# KiCad board AGB-E02-20.kicad_pcb (continued)
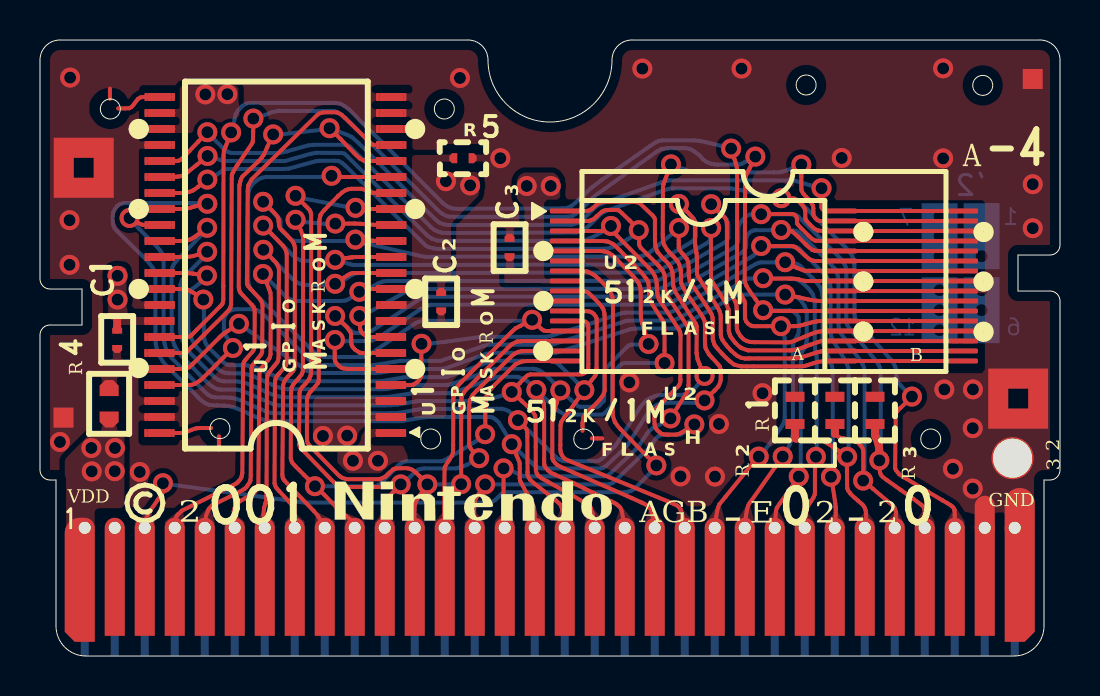
[diagram p0: board, top side]
## Routing (per net, layer and track width the routed paths; a pad name or vN(x,y) marks a point on that pad's centre or on a via; arc(x,y) is an arc through that point) (continued)
A8: length 56.6
  Top w0.1: U1.28 U1.28
  Top w0.2: 28.55,21.48 28.16,21.25 U2.3 U2.3 ; U0.14 21.71,6.91 arc(21.71,6.96) 21.71,7.01 21.71,7.36 arc(21.71,7.41) 21.71,7.46 21.71,7.51 arc(21.72,7.6) 21.73,7.69 21.74,7.74 21.79,7.87 21.84,7.96 arc(21.89,8.04) 21.94,8.12 22.29,8.59 ; v1(28.55,21.5) 28.71,21.23 arc(28.76,21.14) 28.82,21.06 28.84,21.03 30.44,19.4 arc(30.45,19.4) 30.45,19.4 30.57,19.28 30.6,19.23 arc(30.67,19.12) 30.74,19 30.76,18.96 30.82,18.8 30.83,18.64 arc(30.84,18.58) 30.84,18.53 30.84,18.38 arc(30.85,18.3) 30.86,18.22 30.87,18.13 30.87,18.12 arc(30.9,17.99) 30.94,17.87 30.96,17.82 31.03,17.71 arc(31.05,17.69) 31.06,17.67 31.96,16.31 32.01,16.19 32.03,16.05 32.02,13.83 arc(32.02,13.83) 32.02,13.83 32.02,13.7 31.99,13.6 31.92,13.49 30.95,12.51 arc(30.92,12.48) 30.89,12.44 30.83,12.38 30.82,12.37 arc(30.78,12.27) 30.74,12.17 30.74,12.15 30.72,11.91 30.72,11.84 arc(30.72,11.72) 30.73,11.6 30.74,11.55 30.78,11.41 30.87,11.28 30.96,11.2 arc(30.99,11.18) 31.01,11.16 31.08,11.11 31.21,11.08 31.33,11.07 arc(31.39,11.07) 31.44,11.07 31.81,11.07 31.94,11.1 32.05,11.15 32.11,11.19 arc(32.17,11.22) 32.22,11.26 32.59,11.51 arc(32.6,11.51) 32.6,11.51 32.69,11.57 ; 8.4,25 7.84,24.56 arc(7.83,24.55) 7.82,24.54 7.4,24.2 arc(7.35,24.16) 7.29,24.12 7.18,24.04 7.04,23.99 6.93,23.98 arc(6.89,23.97) 6.84,23.97 U1.28 U1.28
  Bottom w0.2: v1(8.38,25) 9.04,24.79 9.22,24.75 12.25,24.75 13.53,25.11 13.82,25.16 15.07,25.15 15.23,25.12 19.36,21.03 19.59,20.87 19.86,20.77 20.15,20.76 27.01,20.76 27.26,20.79 27.69,20.97 28.08,21.18 v1(28.55,21.5) ; v1(22.26,8.58) 28.45,8.58 28.63,8.65 28.79,8.78 30.31,10.26 30.49,10.44 30.64,10.64 30.73,10.78 30.83,10.91 30.96,11.01 31.1,11.05 31.83,11.05 32.02,11.07 32.18,11.16 32.32,11.26 v1(32.72,11.58)
A9: length 55.2
  Top w0.1: U1.29 U1.29
  Top w0.2: U1.29 U1.29 7.15,23.15 7.19,23.16 arc(7.32,23.17) 7.44,23.2 7.48,23.21 7.64,23.27 7.69,23.3 arc(7.79,23.37) 7.9,23.45 7.91,23.46 8.37,23.85 ; 23.2,9.44 23.18,9.18 arc(23.18,9.12) 23.18,9.06 23.18,7.34 arc(23.18,7.28) 23.18,7.22 23.19,7.13 arc(23.19,7.12) 23.19,7.11 23.2,6.98 arc(23.2,6.98) 23.2,6.98 U0.15 ; 31.51,11.87 31.67,12.13 arc(31.7,12.18) 31.73,12.23 31.86,12.41 arc(31.88,12.44) 31.9,12.47 32.25,13.02 arc(32.27,13.05) 32.29,13.08 32.37,13.22 32.42,13.35 32.42,13.37 arc(32.42,13.46) 32.43,13.55 32.43,16.29 32.4,16.42 32.35,16.53 31.34,18.06 31.33,18.09 arc(31.29,18.2) 31.26,18.31 31.26,18.33 31.25,18.49 arc(31.25,18.54) 31.25,18.59 31.25,18.79 arc(31.25,18.86) 31.24,18.93 31.24,19 31.21,19.12 31.11,19.3 31.05,19.37 arc(31.01,19.43) 30.96,19.49 30.95,19.49 arc(30.92,19.53) 30.88,19.57 30.04,20.41 29.98,20.51 29.96,20.63 29.96,20.74 arc(29.96,20.78) 29.96,20.82 v1(29.94,21.29) ; U2.2 U2.2 27.4,21.75 27.51,21.77 27.69,21.85 27.81,21.96 arc(27.83,21.98) 27.84,22 28.09,22.21 28.21,22.27 28.34,22.3 28.82,22.3 28.94,22.28 28.95,22.27 arc(29.03,22.21) 29.1,22.14 29.46,21.8 arc(29.49,21.77) 29.52,21.74 29.7,21.55 arc(29.73,21.52) 29.75,21.49 30.01,21.25
  Bottom w0.2: v1(31.53,11.88) 31.01,11.58 30.81,11.49 30.64,11.39 30.46,11.25 30.34,11.1 29.99,10.57 29.88,10.42 29.78,10.32 28.48,9.09 28.36,9.01 28.22,8.99 24.53,8.98 24.33,8.98 24.19,8.99 24.08,9.03 23.93,9.09 23.64,9.23 v1(23.18,9.38) ; v1(8.37,23.82) 8.74,23.99 9.14,24.28 9.3,24.35 12.21,24.35 12.44,24.37 13.8,24.74 13.98,24.76 14.75,24.76 14.94,24.75 15.11,24.65 15.23,24.55 15.34,24.45 19.29,20.52 19.42,20.45 19.66,20.38 19.88,20.35 28.23,20.36 28.46,20.39 28.79,20.5 29.02,20.61 29.36,20.82 29.54,20.93 v1(29.94,21.29)
A10: length 82.3
  Top w0.1: U1.30 U1.30
  Top w0.2: 33.22,12.77 33.52,13.07 arc(33.54,13.09) 33.56,13.11 33.7,13.24 arc(33.72,13.26) 33.74,13.28 33.76,13.31 arc(33.83,13.37) 33.88,13.44 33.93,13.49 34.01,13.67 34.04,13.8 34.04,14.13 arc(34.04,14.19) 34.03,14.25 34.03,14.35 34,14.46 33.93,14.56 33.6,14.92 arc(33.6,14.92) 33.59,14.92 33.47,15.06 33.45,15.09 arc(33.37,15.21) 33.3,15.34 33.28,15.4 33.26,15.54 33.25,15.61 arc(33.25,15.68) 33.25,15.75 33.25,16.52 arc(33.25,16.6) 33.24,16.68 33.24,16.73 33.19,16.85 33.15,16.92 arc(33.09,17.02) 33.03,17.11 32.3,18.18 arc(32.24,18.28) 32.18,18.38 32.16,18.42 arc(32.13,18.49) 32.1,18.56 32.07,18.63 32.06,18.65 arc(32.05,18.78) 32.05,18.91 32.05,19.07 arc(32.05,19.15) 32.04,19.23 32.04,19.28 32.03,19.31 arc(32,19.44) 31.96,19.57 31.96,19.59 31.87,19.75 31.83,19.8 arc(31.75,19.89) 31.67,19.97 31.62,20.03 arc(31.6,20.05) 31.57,20.08 31.47,20.19 arc(31.46,20.2) 31.45,20.21 31.36,20.31 31.22,20.54 31.16,20.72 31.14,20.9 arc(31.14,20.98) 31.14,21.06 31.15,22.97 arc(31.15,22.97) 31.15,22.98 31.15,23.29 arc(31.15,23.42) 31.16,23.55 31.17,23.57 31.19,23.62 arc(31.21,23.67) 31.23,23.73 31.25,23.81 arc(31.28,23.88) 31.31,23.95 31.36,24.08 arc(31.38,24.12) 31.39,24.16 v1(31.55,24.58) ; 38.07,24.62 38.07,23.35 38.09,23.24 38.16,23.13 38.2,23.08 arc(38.25,23.02) 38.3,22.96 38.41,22.85 arc(38.48,22.78) 38.54,22.7 38.59,22.64 38.65,22.51 38.67,22.39 38.67,22.11 38.69,22.01 38.77,21.89 38.86,21.8 38.97,21.75 U2.31 U2.31 U2.31 ; U1.30 U1.30 7.08,22.35 arc(7.15,22.35) 7.21,22.35 7.3,22.36 7.44,22.39 arc(7.47,22.4) 7.5,22.41 7.56,22.42 arc(7.62,22.44) 7.67,22.46 7.74,22.48 v1(8.37,22.61) ; 23.61,10.55 23.84,10.01 arc(23.84,10.01) 23.84,10.01 23.89,9.88 arc(23.9,9.87) 23.9,9.86 23.97,9.71 23.99,9.6 23.99,8.88 24.01,8.76 24.04,8.69 arc(24.06,8.66) 24.07,8.63 24.5,7.84 arc(24.52,7.81) 24.53,7.78 24.6,7.64 arc(24.63,7.59) 24.65,7.54 24.7,7.43 24.7,7.41 arc(24.71,7.3) 24.72,7.19 24.73,7.11 arc(24.73,7.08) 24.73,7.05 U0.16
  Bottom w0.2: 31.6,24.58 31.87,24.46 32.24,24.33 32.51,24.24 32.74,24.19 32.97,24.18 36.7,24.18 37,24.19 37.14,24.22 37.33,24.28 37.58,24.37 v1(38.07,24.57) ; v1(33.23,12.78) 32.91,12.67 32.7,12.66 31.27,12.66 31.12,12.63 30.92,12.58 30.8,12.52 30.65,12.42 30.52,12.31 30.41,12.18 29.56,10.84 29.38,10.56 29.23,10.37 29,10.16 28.3,9.5 28.18,9.42 28.04,9.38 25.17,9.38 24.98,9.39 24.87,9.44 24.69,9.56 24.55,9.69 23.98,10.2 v1(23.59,10.59) 23.37,10.98 23.17,11.31 22.93,11.69 22.79,11.82 22.65,11.92 22.54,11.95 19.44,11.95 19.17,11.93 18.09,11.75 17.93,11.74 11.76,11.74 11.34,11.77 11.11,11.83 10.81,11.95 10.49,12.09 10.13,12.26 9.84,12.38 9.63,12.45 9.42,12.5 9.21,12.52 8.86,12.53 8.49,12.55 8.27,12.64 8.08,12.77 7.89,12.95 7.58,13.28 6.34,14.49 6.14,14.73 5.96,15.02 5.85,15.33 5.79,15.61 5.78,15.89 5.77,19.11 5.73,19.24 5.65,19.4 5.49,19.61 5.32,19.81 5.1,20.03 3.84,21.26 3.73,21.39 3.67,21.55 3.64,21.72 3.64,22 3.66,22.17 3.75,22.35 3.86,22.5 3.98,22.58 4.17,22.64 4.37,22.65 7.61,22.65 v1(8.37,22.61)
A11: length 61.1
  Top w0.1: U1.31 U1.31
  Top w0.2: 4.49,21.94 4.83,21.71 arc(4.89,21.67) 4.94,21.64 5.01,21.6 5.14,21.56 U1.31 U1.31 ; 33.22,14.01 33.16,14.15 arc(33.16,14.15) 33.16,14.15 33.05,14.39 arc(33.05,14.41) 33.04,14.43 32.97,14.59 arc(32.97,14.61) 32.96,14.63 32.89,14.82 32.88,14.84 arc(32.85,14.98) 32.83,15.12 32.83,15.17 32.84,16.29 arc(32.84,16.37) 32.83,16.45 32.83,16.51 32.79,16.62 31.76,18.21 31.72,18.32 arc(31.7,18.39) 31.68,18.46 31.66,18.55 31.64,18.98 arc(31.64,18.99) 31.64,19 31.63,19.17 31.62,19.19 arc(31.58,19.31) 31.54,19.43 31.53,19.45 31.42,19.61 31.41,19.62 arc(31.32,19.72) 31.23,19.81 31.22,19.82 arc(31.18,19.86) 31.14,19.9 31.05,19.99 arc(30.98,20.07) 30.91,20.15 30.88,20.2 30.87,20.22 arc(30.82,20.34) 30.78,20.46 30.78,20.48 30.77,20.54 arc(30.76,20.62) 30.75,20.7 30.75,20.73 arc(30.75,20.79) 30.75,20.85 30.75,21.81 30.72,21.92 30.64,22.02 29.98,22.65 29.85,22.69 29.79,22.69 arc(29.72,22.7) 29.65,22.7 28.45,22.71 arc(28.45,22.71) 28.44,22.71 28.19,22.71 28.17,22.71 arc(28.07,22.69) 27.97,22.66 27.96,22.66 27.86,22.6 27.79,22.53 arc(27.72,22.46) 27.64,22.4 27.56,22.33 27.43,22.27 27.29,22.25 U2.1 U2.1 ; U0.17 26.16,7.06 arc(26.15,7.14) 26.13,7.22 26.11,7.32 arc(26.1,7.38) 26.08,7.44 26.07,7.49 26.01,7.58 25.96,7.63 arc(25.87,7.71) 25.78,7.78 24.7,8.64 arc(24.61,8.71) 24.52,8.79 24.51,8.81 24.44,8.92 24.38,9.07 24.38,9.19 arc(24.38,9.19) 24.38,9.2 24.37,10.99 arc(24.36,11.13) 24.35,11.27 24.35,11.27 24.3,11.37 23.93,11.82
  Bottom w0.2: v1(4.48,21.9) 4.95,21.36 5.7,20.62 5.88,20.43 5.99,20.3 6.09,20.15 6.15,19.97 6.18,19.79 6.18,15.88 6.23,15.62 6.3,15.37 6.42,15.11 6.59,14.89 8.23,13.22 8.39,13.07 8.58,12.97 8.77,12.93 9.17,12.93 9.51,12.92 9.78,12.87 10.07,12.77 11.03,12.34 11.28,12.23 11.54,12.16 11.75,12.14 17.48,12.14 17.9,12.15 18.72,12.29 18.98,12.33 19.28,12.35 22.86,12.36 23.1,12.36 23.3,12.31 23.44,12.24 23.57,12.14 v1(23.9,11.79) 25.54,10.21 25.8,9.94 25.97,9.82 26.15,9.75 26.3,9.74 27.78,9.74 27.96,9.77 28.1,9.86 28.74,10.48 28.86,10.63 28.93,10.75 30.01,12.43 30.17,12.63 30.33,12.79 30.52,12.9 30.69,12.97 30.85,13.02 31.04,13.05 31.86,13.05 32.13,13.06 32.34,13.12 32.54,13.22 32.7,13.34 32.86,13.52 v1(33.23,14)
A12: length 45.1
  Top w0.1: U1.32 U1.32
  Top w0.2: U1.32 U1.32 7,20.75 arc(7.09,20.75) 7.17,20.76 7.21,20.76 7.36,20.78 7.52,20.83 7.54,20.84 arc(7.62,20.88) 7.69,20.93 7.75,20.96 7.8,21.01 arc(7.84,21.03) 7.87,21.05 7.94,21.1 arc(7.98,21.13) 8.01,21.16 8.36,21.43 ; U2.12 U2.12 27.15,16.75 27.27,16.72 27.35,16.66 27.4,16.56 27.42,16.44 27.42,14.57 arc(27.42,14.49) 27.41,14.41 27.41,14.37 27.35,14.25 27.25,14.15 27.12,14.09 27.02,14.08 arc(26.96,14.08) 26.89,14.08 24.52,14.08 24.42,14.05 24.33,13.99 24.26,13.93 arc(24.2,13.87) 24.14,13.81 23.98,13.63 arc(23.98,13.63) 23.97,13.63 v1(23.59,13.2) ; U0.18 27.67,6.88 arc(27.65,6.98) 27.63,7.08 27.62,7.13 arc(27.58,7.27) 27.53,7.4 27.53,7.42 27.46,7.51 27.39,7.56 arc(27.3,7.63) 27.2,7.69 26.55,8.07 arc(26.53,8.08) 26.51,8.09 25.38,8.72 arc(25.38,8.72) 25.37,8.72 25.22,8.81 arc(25.16,8.84) 25.1,8.88 25.02,8.93 24.92,9.02 24.84,9.13 24.8,9.26 24.8,9.28 arc(24.79,9.37) 24.79,9.46 24.79,10.44 arc(24.79,10.45) 24.79,10.46 24.78,11.74 arc(24.77,11.87) 24.76,12 24.76,12.01 24.75,12.02 arc(24.69,12.13) 24.63,12.23 24.62,12.25 24.54,12.32 arc(24.52,12.35) 24.49,12.38 24.12,12.72 arc(24.11,12.73) 24.09,12.74 23.58,13.24
  Bottom w0.2: v1(8.36,21.41) 8.15,21.13 6.88,19.82 6.7,19.6 6.61,19.4 6.58,19.13 6.59,16.09 6.64,15.79 6.73,15.52 6.87,15.27 7.08,15 8.36,13.68 8.54,13.53 8.71,13.42 8.87,13.34 9.04,13.32 9.84,13.32 10.05,13.28 10.34,13.16 11.52,12.65 11.72,12.57 11.93,12.53 17.19,12.53 17.53,12.54 17.88,12.57 18.8,12.73 19,12.75 21.92,12.74 22.21,12.78 22.54,12.86 22.97,12.98 v1(23.59,13.2)
A13: length 55.2
  Top w0.1: U1.33 U1.33
  Top w0.2: 24.86,13.31 25.11,12.81 arc(25.14,12.75) 25.16,12.69 25.19,12.63 25.19,12.59 arc(25.2,12.47) 25.21,12.35 25.21,9.75 arc(25.21,9.67) 25.21,9.59 25.22,9.55 25.29,9.41 25.4,9.28 25.52,9.18 25.73,9.08 arc(25.75,9.07) 25.76,9.06 26.68,8.64 arc(26.71,8.63) 26.74,8.62 27.21,8.38 arc(27.23,8.37) 27.24,8.36 27.91,8.04 arc(27.92,8.04) 27.92,8.04 28.3,7.85 arc(28.33,7.84) 28.35,7.83 28.56,7.74 arc(28.64,7.7) 28.71,7.66 28.8,7.61 28.87,7.55 arc(28.91,7.52) 28.94,7.49 29.01,7.43 29.06,7.33 29.1,7.21 U0.19 ; U2.4 U2.4 28.04,20.75 arc(28.18,20.75) 28.31,20.73 28.4,20.72 28.67,20.59 28.92,20.36 arc(28.96,20.32) 28.99,20.28 30.04,19.2 arc(30.12,19.11) 30.21,19 30.3,18.88 arc(30.33,18.84) 30.35,18.8 30.41,18.72 30.42,18.63 arc(30.43,18.52) 30.44,18.41 30.45,18.18 arc(30.47,17.96) 30.51,17.75 30.52,17.73 31.09,16.85 arc(31.12,16.8) 31.14,16.75 31.2,16.66 31.2,16.63 arc(31.22,16.47) 31.23,16.31 31.23,14.68 ; 8.38,20.21 7.98,20.1 arc(7.96,20.09) 7.94,20.08 7.67,20 7.66,20 arc(7.49,19.97) 7.31,19.95 7.28,19.95 arc(7.24,19.95) 7.2,19.95 U1.33 U1.33
  Bottom w0.2: v1(31.23,14.65) 29.26,14.65 29.09,14.61 28.98,14.52 28.72,14.23 28.63,14.12 28.61,13.97 28.61,12.66 28.57,12.5 28.24,12.14 28.1,12.07 26.47,12.07 26.19,12.1 25.91,12.26 25.39,12.76 v1(24.82,13.3) 24.52,13.61 24.37,13.74 24.18,13.86 23.97,13.93 23.84,13.96 22.99,13.96 22.81,13.94 20.86,13.23 20.63,13.16 20.45,13.14 18.72,13.14 18.52,13.12 17.38,12.95 17.19,12.94 12.15,12.94 11.92,12.98 11.57,13.09 10.59,13.53 10.27,13.65 9.99,13.71 9.84,13.73 9.2,13.73 9.04,13.76 8.92,13.81 8.76,13.91 8.54,14.12 7.46,15.2 7.35,15.35 7.23,15.56 7.13,15.78 7.07,15.95 7.03,16.15 7.01,16.36 7.01,18.36 7.03,18.57 7.1,18.78 7.19,18.93 7.32,19.07 7.85,19.6 8.05,19.79 v1(8.36,20.21)
A14: length 51.5
  Top w0.1: U1.34 U1.34
  Top w0.2: U2.5 U2.5 27.93,20.25 arc(28.06,20.25) 28.18,20.23 28.22,20.23 28.36,20.19 28.47,20.14 28.61,20.05 28.76,19.91 arc(28.79,19.88) 28.82,19.85 29.7,18.94 arc(29.8,18.83) 29.9,18.7 29.93,18.66 29.99,18.52 30.03,18.36 30.03,18.19 arc(30.04,18.14) 30.04,18.09 30.04,17.13 arc(30.04,17.02) 30.05,16.92 30.06,16.83 30.11,16.65 arc(30.12,16.61) 30.13,16.57 30.23,16.25 arc(30.24,16.23) 30.24,16.21 30.31,16 arc(30.31,15.99) 30.31,15.99 30.42,15.62 ; v1(8.35,19.02) 7.98,19.07 arc(7.98,19.07) 7.97,19.07 7.72,19.11 arc(7.7,19.11) 7.67,19.11 7.62,19.12 arc(7.52,19.14) 7.41,19.15 7.41,19.15 arc(7.35,19.15) 7.29,19.15 U1.34 U1.34 ; U0.20 30.64,6.96 arc(30.61,7.09) 30.58,7.22 30.55,7.31 30.48,7.42 30.4,7.5 30.36,7.52 arc(30.25,7.59) 30.14,7.64 30.07,7.68 arc(30.05,7.69) 30.02,7.7 29.58,7.9 arc(29.58,7.9) 29.57,7.9 28.22,8.5 arc(28.22,8.5) 28.21,8.5 26.21,9.38 arc(26.18,9.39) 26.15,9.4 26.04,9.45 arc(25.97,9.49) 25.89,9.53 25.85,9.56 25.75,9.66 25.66,9.78 25.62,9.89 25.62,11.71 arc(25.62,11.79) 25.62,11.87 25.63,11.92 25.66,12.06 arc(25.67,12.07) 25.67,12.08 25.74,12.32 arc(25.74,12.32) 25.74,12.32 25.82,12.63 arc(25.83,12.64) 25.83,12.65 26.01,13.25
  Bottom w0.2: v1(8.35,19.02) 7.96,18.61 7.83,18.51 7.64,18.37 7.5,18.22 7.44,18.1 7.41,17.88 7.41,16.38 7.43,16.25 7.47,16.1 7.57,15.88 7.7,15.64 7.81,15.47 8.91,14.34 9.09,14.22 9.24,14.16 9.4,14.14 10.04,14.13 10.23,14.11 10.47,14.05 10.7,13.97 11.3,13.7 11.61,13.56 11.89,13.45 12.13,13.37 12.37,13.34 17.14,13.34 17.32,13.35 18.45,13.54 18.65,13.55 20.27,13.55 20.38,13.56 20.55,13.58 20.69,13.63 22.49,14.27 22.74,14.35 22.95,14.36 24.68,14.36 24.81,14.34 24.97,14.28 25.12,14.19 25.28,14.07 25.67,13.68 v1(26.02,13.28) 26.56,12.8 26.89,12.5 27.01,12.46 27.86,12.46 27.97,12.52 28.19,12.75 28.21,12.92 28.21,14.17 28.24,14.31 28.33,14.42 29.34,15.44 29.47,15.55 29.61,15.57 30.02,15.57 v1(30.43,15.6)
A15: length 42.9
  Top w0.1: U1.35 U1.35
  Top w0.2: 27.24,13.31 26.81,12.73 arc(26.8,12.71) 26.78,12.69 26.66,12.51 arc(26.64,12.48) 26.62,12.45 26.48,12.27 arc(26.46,12.24) 26.43,12.21 26.31,12.06 arc(26.29,12.03) 26.26,12 26.22,11.94 arc(26.14,11.83) 26.07,11.72 26.05,11.67 26.03,11.54 26.02,10.57 arc(26.02,10.56) 26.02,10.55 26.02,10.32 26.04,10.18 26.09,10.06 26.16,9.94 26.26,9.85 26.48,9.75 arc(26.52,9.73) 26.56,9.71 31.55,7.67 arc(31.62,7.64) 31.68,7.61 31.86,7.52 31.96,7.43 32.03,7.33 32.04,7.31 arc(32.06,7.22) 32.09,7.13 32.1,7.09 arc(32.12,7.03) 32.13,6.97 U0.21 ; U2.11 U2.11 26.91,17.24 arc(26.93,17.24) 26.94,17.24 27.37,17.24 27.5,17.22 27.61,17.17 27.7,17.1 27.78,16.99 27.83,16.88 27.83,16.79 arc(27.84,16.72) 27.84,16.65 27.83,14.4 arc(27.83,14.4) 27.83,14.4 27.83,14.2 27.8,14.09 27.73,13.97 27.59,13.81 arc(27.57,13.77) 27.54,13.73 v1(27.22,13.29) ; U1.35 U1.35 7.09,18.35 arc(7.18,18.35) 7.26,18.34 7.3,18.34 7.4,18.31 7.5,18.25 arc(7.51,18.25) 7.52,18.25 7.61,18.19 arc(7.66,18.17) 7.7,18.14 7.83,18.06 arc(7.91,18.02) 7.98,17.97 8.2,17.81
  Bottom w0.2: v1(8.17,17.82) 8.2,17.4 8.2,16 8.22,15.83 8.27,15.67 8.34,15.54 8.46,15.4 9.18,14.68 9.33,14.58 9.48,14.54 10.27,14.54 10.4,14.52 10.6,14.48 10.77,14.43 12.09,13.84 12.23,13.79 12.43,13.75 12.56,13.74 17.08,13.74 18.19,13.93 18.36,13.94 20.18,13.94 20.36,13.96 20.59,14.03 22.46,14.71 22.63,14.75 22.74,14.76 25.41,14.76 25.59,14.74 25.78,14.69 25.9,14.62 26.84,13.7 v1(27.22,13.29)
CS: length 27.9
  Top w0.1: U1.19 U1.19
  Top w0.2: U0.5 8.3,7 8.41,7.28 8.46,7.37 8.58,7.52 10.01,8.23 arc(10.11,8.28) 10.19,8.34 10.22,8.35 10.32,8.44 10.37,8.52 arc(10.4,8.55) 10.42,8.58 10.48,8.67 10.52,8.77 10.52,8.78 arc(10.53,8.91) 10.54,9.05 10.58,14.37 10.61,14.51 10.64,14.56 arc(10.7,14.64) 10.76,14.72 10.93,14.91 arc(10.98,14.97) 11.02,15.03 11.06,15.08 11.11,15.19 11.13,17.52 11.11,17.64 11.07,17.74 11,17.85 10.52,18.37 arc(10.47,18.42) 10.42,18.48 10.39,18.52 10.35,18.63 10.35,18.8 arc(10.35,18.81) 10.35,18.82 10.39,23.24 arc(10.39,23.36) 10.4,23.48 10.41,23.51 10.44,23.57 arc(10.49,23.68) 10.55,23.78 10.59,23.84 13.86,27.05 13.97,27.13 14.16,27.18 14.57,27.19 arc(14.72,27.19) 14.86,27.17 14.88,27.17 15.02,27.1 15.11,27.03 arc(15.18,26.97) 15.24,26.91 16.5,25.68 arc(16.54,25.64) 16.58,25.6 16.62,25.57 16.74,25.55
CS2: length 67.1
  Top w0.1: U1.27 U1.27
  Top w0.2: 43.61,12.97 43.44,12.8 arc(43.4,12.75) 43.35,12.71 43.02,12.4 42.89,12.28 42.81,12.15 42.79,12.02 42.76,9.52 arc(42.76,9.51) 42.76,9.5 42.76,9.39 42.8,9.29 42.96,9.09 43.21,8.93 arc(43.24,8.91) 43.26,8.89 44.41,8.2 arc(44.42,8.2) 44.42,8.2 45.12,7.79 arc(45.13,7.78) 45.14,7.77 45.37,7.64 arc(45.46,7.59) 45.54,7.53 45.6,7.49 45.68,7.41 45.73,7.3 45.73,7.28 arc(45.73,7.19) 45.74,7.1 U0.30 ; U2.30 U2.30 U2.30 39.23,21.25 arc(39.08,21.26) 38.93,21.27 38.88,21.28 38.73,21.36 38.59,21.48 arc(38.55,21.52) 38.51,21.56 38.47,21.6 arc(38.39,21.68) 38.32,21.77 38.31,21.78 38.27,21.89 38.27,22.24 38.24,22.36 38.14,22.52 38.06,22.6 arc(37.98,22.68) 37.9,22.75 37.85,22.8 37.71,22.87 37.61,22.88 arc(37.55,22.88) 37.48,22.88 37.13,22.88 ; U1.27 U1.27 6.83,24.75 6.95,24.77 7.05,24.82 7.08,24.85 arc(7.15,24.91) 7.2,24.97 7.45,25.23 arc(7.46,25.24) 7.46,25.25 7.89,25.7 arc(7.91,25.71) 7.92,25.72 8.37,26.21
  Bottom w0.2: v1(43.6,12.97) 43.43,13.19 43.23,13.33 43.06,13.5 42.91,13.68 42.84,13.84 42.82,13.99 42.82,14.16 42.81,14.33 42.76,14.47 42.68,14.64 42.56,14.81 42.41,14.97 40.89,16.69 40.81,16.81 40.74,16.96 40.73,17.08 40.72,19.58 40.69,19.81 40.61,20.02 40.48,20.21 40.27,20.44 38.01,22.69 37.9,22.8 37.75,22.86 37.61,22.86 v1(37.07,22.89) 36.55,22.99 34.76,23.35 34.54,23.38 31.64,23.38 31.46,23.37 31.21,23.29 28.47,22.31 28.2,22.2 28.04,22.1 27.86,21.91 27.38,21.45 27.21,21.31 27.02,21.22 26.79,21.17 20.39,21.15 20.11,21.16 19.93,21.21 19.73,21.3 19.54,21.45 15.49,25.47 15.35,25.55 15.22,25.56 13.68,25.56 13.42,25.53 13.16,25.46 12.35,25.23 11.96,25.15 9.55,25.15 9.39,25.21 9.17,25.38 8.7,25.84 v1(8.37,26.19)
D0: length 74
  Top w0.1: 5.29,15.95 U1.38
  Top w0.2: U0.22 33.81,7 arc(33.83,7.1) 33.85,7.2 33.91,7.44 33.97,7.58 34.27,7.95 35.51,9.49 arc(35.55,9.53) 35.58,9.57 35.94,9.96 ; U2.21 U2.21 U2.21 39.1,16.75 arc(38.98,16.75) 38.85,16.73 38.82,16.73 38.65,16.69 arc(38.59,16.68) 38.53,16.66 38.27,16.59 arc(38.27,16.59) 38.26,16.59 38.1,16.54 arc(38.05,16.53) 37.99,16.52 37.91,16.5 37.72,16.49 arc(37.68,16.49) 37.63,16.49 37.09,16.49 ; v1(37.05,16.49) 35.68,16.49 35.55,16.52 35.41,16.61 35.31,16.73 35.26,16.86 35.25,16.91 arc(35.25,16.99) 35.25,17.07 35.25,17.59 35.23,17.73 35.2,17.79 arc(35.15,17.89) 35.1,17.99 34.96,18.24 arc(34.93,18.29) 34.9,18.34 34.88,18.39 34.85,18.53 34.85,18.68 arc(34.85,18.68) 34.85,18.68 34.86,24.09 arc(34.86,24.09) 34.86,24.09 34.86,24.33 34.85,24.35 arc(34.83,24.46) 34.81,24.57 34.79,24.64 arc(34.78,24.68) 34.76,24.72 34.72,24.85 arc(34.71,24.9) 34.69,24.95 34.67,25.01 arc(34.63,25.11) 34.6,25.22 34.56,25.38 ; 9.55,26.22 9.38,25.73 arc(9.36,25.65) 9.32,25.57 9.28,25.47 arc(9.26,25.42) 9.24,25.37 9.2,25.26 9.19,25.24 arc(9.18,25.11) 9.18,24.98 9.17,18.5 arc(9.17,18.5) 9.17,18.5 9.17,17.83 9.15,17.7 9.12,17.6 9.06,17.54 arc(9.03,17.5) 8.99,17.46 7.86,16.33 arc(7.84,16.31) 7.82,16.29 7.71,16.17 arc(7.66,16.12) 7.6,16.07 7.54,16.01 7.44,15.96 7.34,15.95 arc(7.28,15.95) 7.21,15.95 U1.38
  Bottom w0.2: v1(35.94,9.97) 36.28,10.33 37.11,11.51 37.19,11.67 37.23,11.8 37.24,11.93 37.24,15.84 37.22,15.97 v1(37.05,16.49) ; v1(34.56,25.37) 34.06,25.51 33.33,25.68 33.02,25.75 32.7,25.78 31.12,25.78 30.95,25.76 30.79,25.68 30.52,25.51 28.11,23.82 27.63,23.46 27.39,23.25 27.2,23.06 26.76,22.65 26.56,22.49 26.34,22.4 26.13,22.38 20.8,22.36 20.6,22.38 20.37,22.48 20.16,22.63 16.88,25.92 16.14,26.63 15.45,27.34 15.21,27.51 15.01,27.62 14.78,27.66 10.68,27.66 10.46,27.65 10.28,27.61 10.1,27.48 9.92,27.29 9.79,27.09 9.73,26.85 9.68,26.52 v1(9.56,26.18)
D1: length 75.7
  Top w0.1: 5.29,15.15 U1.39
  Top w0.2: 36.14,17.25 U2.22 U2.22 U2.22 ; U1.39 7.07,15.15 7.23,15.18 7.41,15.27 8.23,16.09 arc(8.24,16.1) 8.24,16.11 9.3,17.14 arc(9.37,17.22) 9.45,17.3 9.47,17.33 9.53,17.45 9.56,17.57 9.59,23.88 arc(9.59,23.95) 9.59,24.02 9.6,24.08 9.62,24.13 arc(9.65,24.18) 9.67,24.22 9.74,24.35 arc(9.78,24.41) 9.82,24.47 9.87,24.55 arc(9.88,24.56) 9.88,24.57 10.59,25.6 10.64,25.7 10.64,25.73 arc(10.65,25.8) 10.65,25.87 10.66,26.18 arc(10.66,26.2) 10.66,26.22 10.69,26.94 ; v1(36.16,17.29) 35.79,17.83 arc(35.78,17.84) 35.77,17.85 35.47,18.26 arc(35.4,18.37) 35.33,18.49 35.32,18.52 35.26,18.67 35.24,18.78 35.24,19.9 arc(35.24,19.91) 35.24,19.92 35.26,23.63 arc(35.26,23.68) 35.26,23.73 35.27,23.86 35.32,24.06 35.36,24.15 arc(35.39,24.21) 35.42,24.27 35.47,24.36 arc(35.51,24.43) 35.54,24.5 35.59,24.62 arc(35.63,24.7) 35.67,24.78 35.77,24.95 ; 37.16,9.99 36.77,9.47 arc(36.76,9.45) 36.74,9.43 35.55,7.73 arc(35.54,7.72) 35.53,7.71 35.46,7.61 35.4,7.49 35.39,7.48 arc(35.36,7.36) 35.34,7.23 35.31,7.08 arc(35.3,7.01) 35.29,6.94 U0.23
  Bottom w0.2: v1(36.16,17.29) 36.73,17.28 37.49,17.28 37.61,17.26 37.73,17.18 37.87,17.04 37.93,16.94 37.94,16.82 37.94,16.24 37.92,16.12 37.88,16.02 37.76,15.82 37.68,15.7 37.65,15.53 37.65,11.15 37.64,11.02 37.62,10.89 37.58,10.77 37.49,10.57 37.38,10.36 v1(37.14,9.97) ; v1(35.77,24.97) 35.25,24.7 35.09,24.61 34.95,24.57 33.89,24.57 33.73,24.58 33.55,24.61 33.34,24.7 33.14,24.84 32.99,25.02 32.73,25.22 32.5,25.35 32.28,25.39 31.38,25.39 31.22,25.37 31.04,25.33 30.87,25.24 28.21,23.34 27.87,23.1 27.65,22.92 27.52,22.79 27.06,22.34 26.79,22.11 26.6,21.99 26.36,21.96 20.73,21.96 20.48,21.97 20.32,22 20.08,22.13 19.83,22.35 15.35,26.83 15.11,27.05 14.93,27.16 14.74,27.24 14.51,27.25 12.83,27.25 11.95,27.26 11.64,27.2 11.11,27 v1(10.67,26.87)
D2: length 56.6
  Top w0.1: 5.29,14.35 U1.40
  Top w0.2: U2.23 U2.23 U2.23 39.01,17.75 arc(38.93,17.75) 38.84,17.76 38.81,17.76 arc(38.7,17.77) 38.59,17.79 38.42,17.83 arc(38.4,17.83) 38.37,17.84 37.99,17.92 arc(37.96,17.93) 37.92,17.94 37.7,17.98 arc(37.7,17.98) 37.69,17.98 37.29,18.06 ; U1.40 7.07,14.35 arc(7.14,14.35) 7.2,14.35 7.29,14.36 7.47,14.44 7.63,14.59 arc(7.65,14.61) 7.66,14.63 8.97,15.92 arc(9,15.95) 9.03,15.98 9.08,16.02 arc(9.12,16.06) 9.16,16.1 9.23,16.15 9.33,16.22 arc(9.36,16.23) 9.38,16.25 9.57,16.37 arc(9.62,16.4) 9.67,16.43 9.97,16.6 ; 37.94,8.98 37.66,8.55 arc(37.64,8.52) 37.61,8.49 37.38,8.15 arc(37.37,8.14) 37.36,8.13 36.99,7.62 arc(36.92,7.53) 36.86,7.43 36.84,7.39 36.8,7.24 U0.24
  Bottom w0.2: v1(37.94,8.97) 38.04,9.42 38.04,10.62 38.05,14.86 38.05,15.05 38.11,15.22 38.22,15.39 38.29,15.55 38.33,15.69 38.34,15.83 38.34,17.16 38.31,17.32 38.22,17.53 38.11,17.69 38,17.82 37.84,17.95 v1(37.26,18.07) 34.98,18.07 34.81,18.04 31.96,16.44 31.78,16.38 31.61,16.37 29.76,16.37 29.52,16.34 25.93,15.2 25.77,15.16 22.6,15.16 22.32,15.11 20.3,14.39 20.07,14.35 18.25,14.35 17.94,14.32 17.48,14.24 17.03,14.17 16.81,14.15 13.72,14.15 13.56,14.17 13.37,14.26 13.06,14.47 10.53,16.2 v1(9.95,16.61)
D3: length 61.1
  Top w0.1: 5.29,13.55 U1.41
  Top w0.2: 9.68,15.43 8.86,14.61 arc(8.85,14.6) 8.84,14.59 8.47,14.22 arc(8.45,14.19) 8.42,14.16 8.04,13.8 8,13.77 arc(7.88,13.69) 7.76,13.62 7.76,13.62 7.6,13.56 7.53,13.56 arc(7.46,13.55) 7.39,13.55 U1.41 ; 36.21,18.87 37.56,18.87 arc(37.73,18.86) 37.89,18.84 37.91,18.84 37.98,18.82 arc(38.11,18.78) 38.24,18.76 38.3,18.75 U2.25 U2.25 U2.25 ; U0.25 38.3,7.22 38.34,7.38 38.39,7.48 arc(38.44,7.57) 38.49,7.66 38.55,7.74 arc(38.56,7.75) 38.57,7.76 38.67,7.91 38.73,8.05 38.75,8.17 38.75,9.38 arc(38.75,9.4) 38.75,9.42 38.74,10.03
  Bottom w0.2: v1(9.65,15.4) 9.49,15.72 9.31,15.99 9.24,16.13 9.2,16.3 9.2,16.81 9.25,16.99 9.38,17.17 9.52,17.27 9.7,17.33 9.88,17.34 10.56,17.34 10.82,17.31 11,17.21 11.27,16.99 13.44,14.84 13.59,14.72 13.78,14.63 13.93,14.57 14.06,14.55 16.68,14.54 17.77,14.72 18.05,14.76 20.04,14.76 22.2,15.51 22.47,15.57 25.59,15.56 29.26,16.74 29.42,16.77 31.5,16.77 31.72,16.8 31.92,16.88 35.2,18.76 35.4,18.87 v1(36.16,18.89) 36.76,18.87 37.6,18.87 37.75,18.85 37.95,18.77 38.17,18.62 38.42,18.38 38.57,18.19 38.65,18.06 38.72,17.84 38.74,17.7 38.74,15.58 38.75,15.46 38.79,15.19 38.83,15.01 38.84,14.8 38.84,10.29 v1(38.8,9.96)
D4: length 47.1
  Top w0.1: U1.4 U1.4
  Top w0.2: U2.26 U2.26 U2.26 38.48,19.26 arc(38.47,19.26) 38.46,19.26 38.25,19.26 38.17,19.28 arc(38.09,19.31) 38,19.35 37.85,19.41 arc(37.85,19.41) 37.84,19.41 37.68,19.48 arc(37.58,19.52) 37.48,19.58 37.27,19.69 ; U0.26 39.78,7.01 arc(39.79,7.08) 39.79,7.15 39.79,7.29 arc(39.79,7.34) 39.78,7.39 39.78,7.45 arc(39.77,7.54) 39.76,7.63 39.75,7.75 arc(39.75,7.75) 39.75,7.76 39.71,8.01 arc(39.71,8.04) 39.7,8.07 39.62,8.56 arc(39.62,8.58) 39.61,8.6 v1(39.55,8.96) ; 19.08,15.63 19.07,15.31 arc(19.07,15.28) 19.07,15.25 19.07,14.2 arc(19.07,14.14) 19.06,14.08 19.06,13.98 19.01,13.88 18.95,13.79 18.86,13.69 18.81,13.66 arc(18.76,13.62) 18.7,13.58 18.66,13.56 18.62,13.56 arc(18.54,13.55) 18.45,13.55 U1.4 U1.4
  Bottom w0.2: v1(39.55,8.96) 39.63,9.37 39.64,9.54 39.64,14.3 39.6,14.49 39.53,14.68 39.18,15.53 39.14,15.67 39.13,15.84 39.13,18.03 39.08,18.29 38.97,18.5 38.84,18.67 38.63,18.9 38.02,19.5 37.86,19.6 37.67,19.67 v1(37.26,19.69) 36.74,19.68 36.07,19.68 35.93,19.66 35.79,19.6 31.7,17.26 31.54,17.2 31.37,17.17 29.26,17.17 29.09,17.14 27.62,16.65 26.65,16.35 25.53,16 25.3,15.96 22.1,15.96 21.97,15.95 21.65,15.9 20.34,15.72 19.58,15.63 v1(19.08,15.61)
D5: length 59
  Top w0.1: U1.5 U1.5
  Top w0.2: v1(40.36,9.96) 39.98,10.23 arc(39.97,10.24) 39.95,10.25 39.83,10.33 arc(39.81,10.35) 39.78,10.37 39.39,10.62 arc(39.33,10.66) 39.26,10.7 39.22,10.72 39.11,10.75 38.97,10.77 37.81,10.77 37.73,10.79 ; 40.35,10 40.35,9.3 arc(40.35,9.29) 40.35,9.28 40.36,8.56 arc(40.36,8.48) 40.36,8.4 40.37,8.37 40.41,8.27 40.5,8.15 40.52,8.13 arc(40.62,8.01) 40.73,7.91 40.89,7.77 arc(40.9,7.77) 40.9,7.77 41.13,7.57 41.2,7.48 41.25,7.38 41.29,7.26 41.3,7.13 arc(41.3,7.12) 41.3,7.11 41.31,6.95 U0.27 ; U1.5 U1.5 15.36,14.35 15.17,14.38 15.06,14.42 14.96,14.49 14.86,14.59 14.77,14.72 14.74,14.84 14.74,15.85 ; 36.09,20.51 36.24,20.51 arc(36.27,20.51) 36.29,20.51 36.63,20.5 arc(36.66,20.5) 36.68,20.5 37.55,20.5 37.68,20.48 37.79,20.43 37.8,20.42 arc(37.89,20.35) 37.99,20.27 38.27,20 arc(38.35,19.93) 38.43,19.87 38.47,19.84 38.62,19.78 38.73,19.75 U2.27 U2.27 U2.27
  Top w0.4: 37.75,11.49 37.75,10.89
  Bottom w0.2: v1(14.75,15.8) 15.02,15.77 15.26,15.74 16.31,15.75 16.59,15.77 16.89,15.9 19.02,17.34 19.24,17.46 19.4,17.53 19.56,17.56 31.21,17.57 31.39,17.58 31.56,17.67 31.75,17.78 35.5,19.91 35.65,20 35.73,20.07 v1(36.06,20.5) 36.68,20.47 37.51,20.47 37.77,20.46 37.9,20.41 38,20.33 39.02,19.29 39.32,18.98 39.44,18.78 39.51,18.59 39.53,18.36 39.53,16.14 39.57,15.97 39.65,15.78 40.21,14.87 40.35,14.6 40.42,14.39 40.43,14.2 40.43,10.35 v1(40.36,9.96)
